# KiCad board ev17.kicad_pcb (continued)
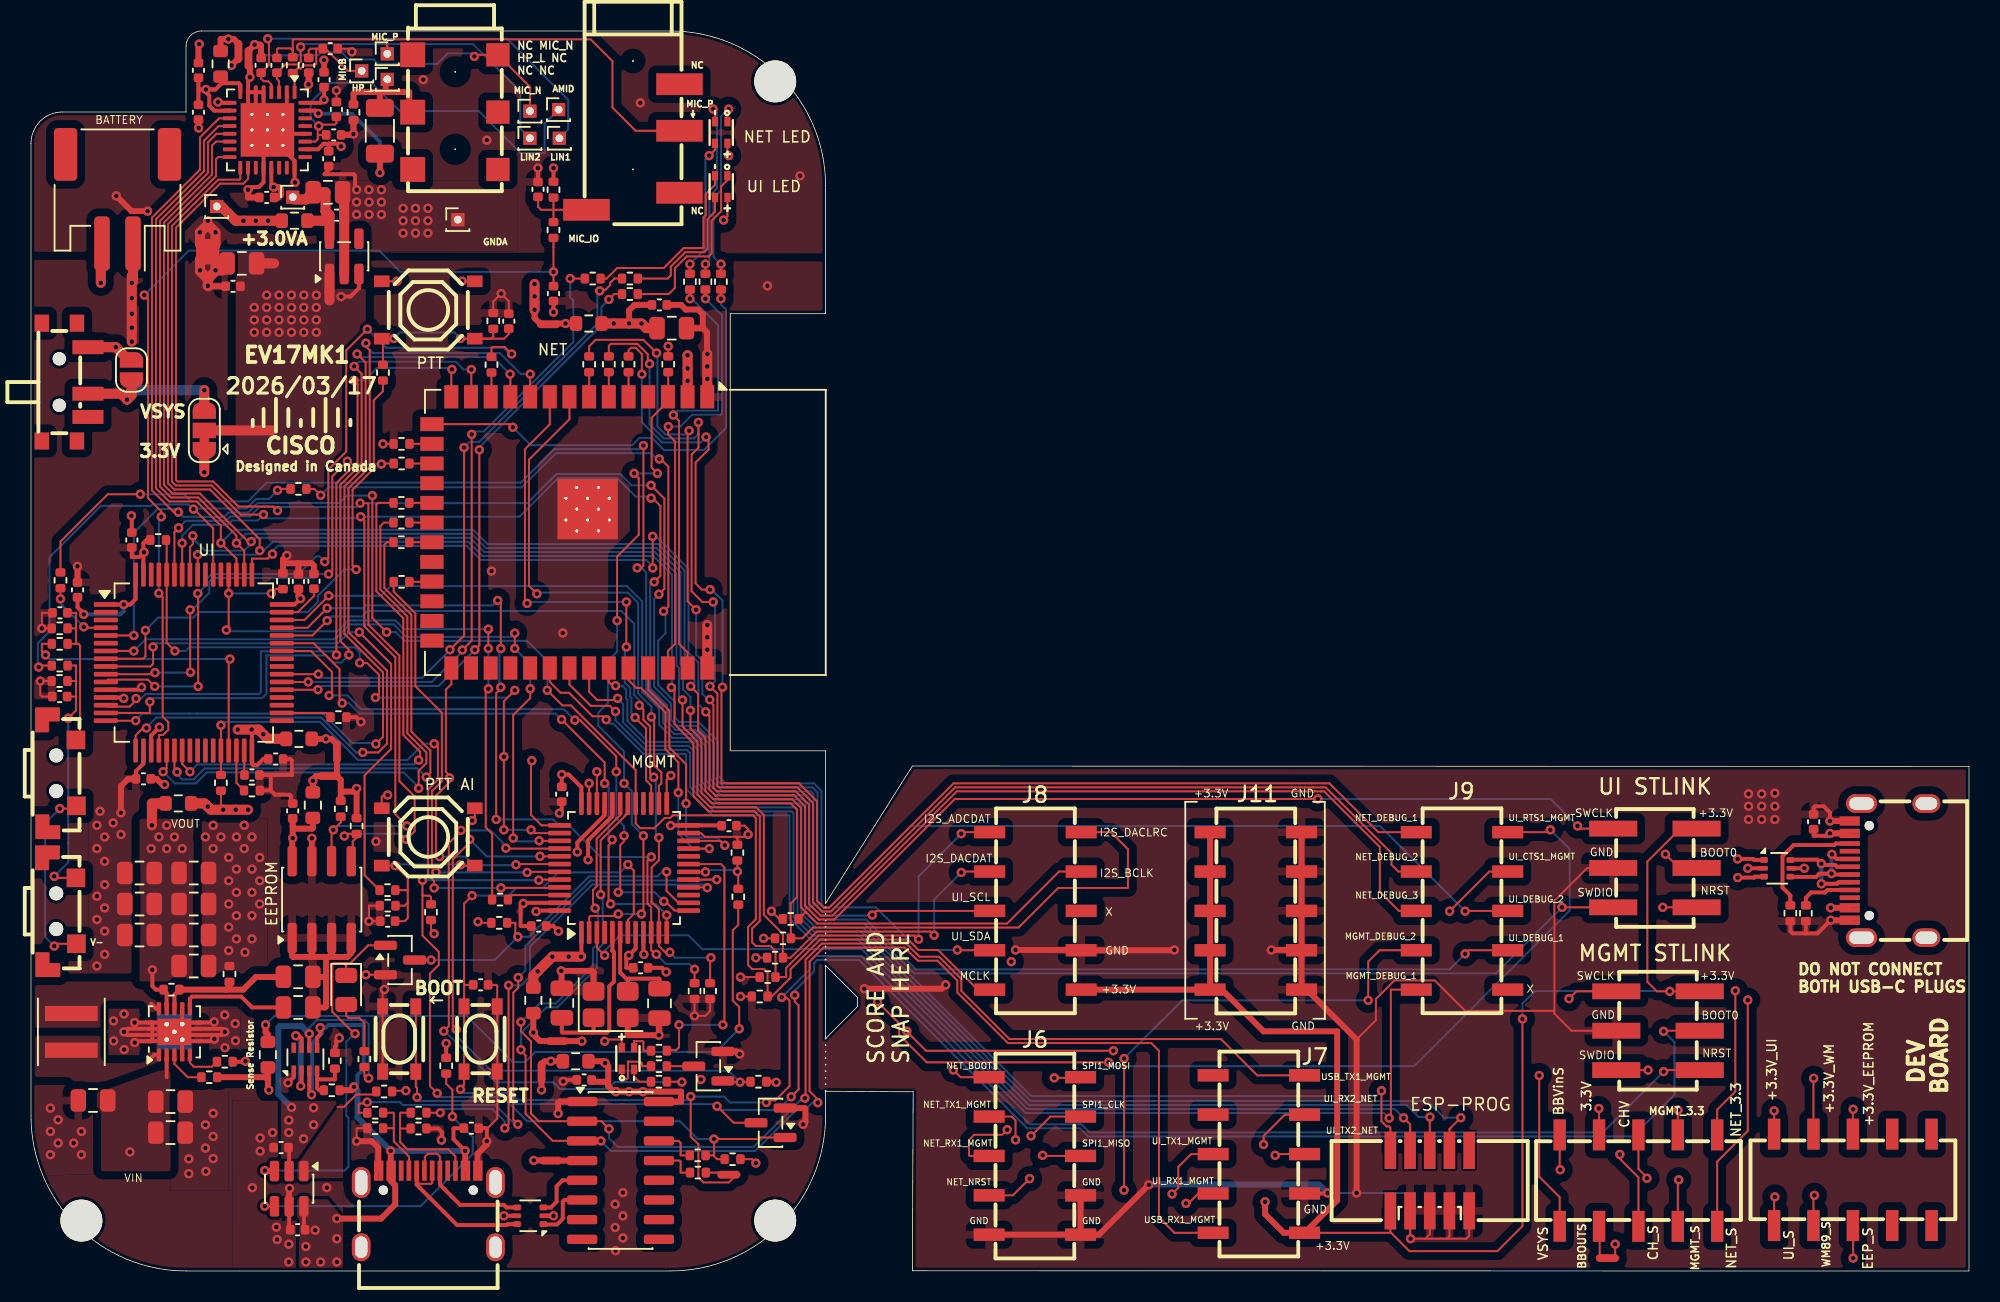
[diagram p0: board, top side]
## Routing (per net, layer and track width the routed paths; a pad name or vN(x,y) marks a point on that pad's centre or on a via; arc(x,y) is an arc through that point) (continued)
GNDA: length 59.6
  Top w0.127: C48.2 20.5,78.86 v1(20.7,78.66) ; C55.2 v1(19.7,76.16)
  Top w0.254: U6.33 15.5,73.37 U6.28 ; U6.33 15.25,73.37 17,71.62 U6.24 17,70.26 v1(17.03,70.23) ; U6.33 14.5,74.37 U6.6 ; U6.33 15,73.37 U6.20 15,70.24 14.69,69.93 14.17,69.93 v1(14,69.76) ; U6.33 15,73.87 U6.5 U6.7 ; U6.33 14,74.87 U6.7 ; U6.7 14,76.9 v1(14.12,77.02) ; U6.2 16.5,74.87 U6.33 ; C54.2 v1(32.7,71.16) ; C26.2 19.2,71.04 18.93,70.76 20.8,70.76 20.9,70.66 20.9,69.86 v1(21,69.76)
  Top w0.381: v1(14.12,77.02) 14.12,77.64 JP2.2 ; v1(5.5,69.36) 6.48,68.38 v1(7.52,68.38) ; v1(14,69.76) 14,69.76 14,69.26 C28.2 ; C25.1 18.9,78.12 v1(18.89,78.12) ; 11.55,67.36 11.4,67.51 v1(11.4,67.76) ; C33.2 20.74,73.3 v1(20.8,73.36) R32.1 ; v1(17.9,76.56) 17.9,76.66 17.91,76.68 C37.2
  Top w0.65: 20.19,69.88 20.2,69.87 U12.2 ; NT1.4 v1(11.9,67.01) 11.4,67.51 v1(10.9,67.01) NT1.2 NT1.4
  In1.Cu w0.254: U6.33 U6.33
  In1.Cu w0.381: U6.33 U6.33 U6.33 ; U6.33 U6.33 ; U6.33 U6.33 U6.33
  vias: v1(21,68.96) v1(21,68.16) v1(21.8,69.76) v1(21.8,68.96) v1(21.8,68.16) v1(22.6,69.76) v1(22.6,68.96) v1(22.6,68.16) v1(24,68.56) v1(24,67.76) v1(24,66.96) v1(24.8,68.56) v1(24.8,67.76) v1(24.8,66.96) v1(25.3,76.86) v1(25.6,68.56) v1(25.6,67.76) v1(25.6,66.96) v1(29.4,72.96) v1(39.3,75.36) v1(49.6,70.66)
VBUS: length 154.4
  Top w0.254: U11.5 v1(114.38,25.98) ; U2.5 v1(30.5,3.56) ; U9.5 18.45,15.06 18.65,15.27 v1(18.65,15.7) ; C56.1 114.98,28.08 115.88,28.08 v1(116.03,28.23) ; v1(28,7.75) 27.25,8.5 27.25,9.17 27.29,9.21 C5.1 ; U1.6 17.6,2.74 ; v1(18.1,11.37) 18.09,11.37 17.95,11.51 U9.3
  Top w0.381: R53.2 20.68,11.66 20.83,11.81 v1(20.83,11.88) ; 117.16,28.23 v1(116.03,28.23) ; v1(19.73,3.38) 22.58,3.38 23.49,4.3 23.49,5.53 23.2,5.82 v1(23.2,7.75) ; v1(116.08,23.43) 117.16,23.43 ; v1(28,7.75) 28,6.65
  In2.Cu w0.381: v1(30.5,3.56) 30.88,3.94 30.88,7.38 30.5,7.75 v1(28,7.75) ; v1(116.08,23.43) 116.78,24.13 116.78,27.48 v1(116.03,28.23) 116.03,27.93 114.38,26.28 v1(114.38,25.98)
  In3.Cu w0.381: v1(43.21,12.36) 44.97,12.36 47.23,14.61 57.88,14.61 v1(63.23,19.96)
  In4.Cu w0.381: v1(63.23,19.96) 90.12,19.96 93.01,22.84 105.51,22.84 106.1,23.43 v1(116.08,23.43) ; v1(28,7.75) 39.92,7.75 43.21,11.04 v1(43.21,12.36)
  Bottom w0.254: v1(18.1,11.37) 18.13,11.4 18.13,14.7 18.76,15.33 18.76,15.59 v1(18.65,15.7) 19.01,15.7 19.18,15.87 21.39,15.87 21.46,15.8 21.46,13.04 21.05,12.63 21.05,12.1 v1(20.83,11.88)
  Bottom w0.381: v1(28,7.75) v1(23.2,7.75) 21.06,9.9 21.06,11.65 v1(20.83,11.88)
  vias: v1(17.73,1.58) v1(17.73,0.58) v1(18.33,2.63) v1(18.68,0.58) v1(19.73,2.08) v1(19.73,0.58)
/AMID: length 26.3
  Top w0.127: 18.5,73.36 18.5,73.03 18.34,72.87 U6.27 ; 18.5,73.36 18.5,73.82 v1(18.56,73.87) 18.6,73.92 18.63,73.92 18.67,73.96 19.6,73.96 19.7,74.06 C55.1 ; 18.5,73.36 18.56,73.3 C33.1
  Bottom w0.127: v1(18.56,73.87) 18.03,74.39 18.03,75.4 19.29,76.66 21.96,76.66 23.79,74.83 28.88,74.83 31.58,72.13 33.13,72.13 33.13,74.03 J23.1
/Analog_Sense: length 7
  Top w0.381: 18.32,69.88 18.2,69.76
  Top w0.65: C18.1 19,68.36 19,69.6 C10.1 17.73,69.13 16.98,69.13 ; C18.1 18.88,67.76 R52.1 ; C18.1 19.25,68.11 U12.5
/BATTERY_MON: length 5.1
  Top w0.127: v1(45.56,25.77) R13.1 ; 42.45,25.71 U3.18 43.5,25.75 v1(43.5,25.75) ; R12.1 45.62,25.68 45.54,25.75
  Bottom w0.127: v1(43.5,25.75) 43.57,25.75 43.69,25.87 45.47,25.87 v1(45.56,25.77)
/BB_Vin_Sense: length 107.8
  Top w0.127: J10.10 98.6,6.56 v1(98.63,6.53)
  Top w0.254: U5.2 8.75,12.5
  Top w0.381: 15.28,12.33 15.28,11.73 v1(15.33,11.68) ; 15.28,12.33 15.11,12.5 R18.1 ; 15.28,12.33 R14.2
  In2.Cu w0.381: v1(15.33,11.68) 14.58,10.93 6.93,10.93 6.58,10.58 6.58,7.88 v1(6.38,7.68)
  In4.Cu w0.127: v1(15.33,11.68) 17.04,13.38 32.8,13.38 33.35,12.83 37.67,12.83 38.23,13.4 43.17,13.4 43.85,12.71 48.23,12.71 49.08,11.86 58.9,11.86 64.28,6.48 98.58,6.48 v1(98.63,6.53)
/BB_Vout: length 139.8
  Top w0.127: v1(102.18,1.73) NT4.2
  Top w0.254: v1(7.83,19.43) 7.83,18.38 8.06,18.15 R26.2 8.75,17.95 U5.9 U5.9 ; R28.2 13.53,13.5 13.55,13.48 13.78,13.48 v1(13.83,13.53)
  Top w0.65: R48.1 8.21,30.17 8.2,30.16 7.8,30.16 v1(7.8,28.75)
  In2.Cu w0.254: v1(7.83,19.43) 5.23,19.43 3.95,18.15 3.95,13.16 4.2,12.91 13.21,12.91 v1(13.83,13.53)
  In4.Cu w0.127: v1(102.18,1.73) 104.72,4.28 104.72,6.19 100.04,10.87 64.33,10.87 61.74,13.46 59.29,13.46 58.46,12.64 49.4,12.64 48.55,13.48 44.17,13.48 43.49,14.17 37.34,14.17 37.34,14.17 36.72,14.17 36.72,14.17 32.43,14.17 20.3,26.3 16.91,26.3 13.96,29.25 8.29,29.25 v1(7.8,28.75)
  vias: v1(7.75,27.25) v1(8.25,28) v1(8.75,28.75) v1(8.75,27.25) v1(9.25,28) v1(9.75,27.25)
/BB_Vout_Sense: length 2.1
  Top w0.127: J10.2 101.18,2.84 NT4.1
/BQ_OUT: length 91.3
  Top w0.127: v1(21.78,12.43) 21.63,12.43 21.5,12.56 R11.1
  Top w0.254: v1(17.95,15.31) U9.6 ; U1.2 16.65,7.92
  Top w0.65: v1(4.5,63.75) 4.5,66.21 J2.2
  In2.Cu w0.381: v1(17.95,15.31) 17.95,15.17 14.22,11.44 3.59,11.44 2.48,12.55 2.48,30.44 4.1,32.06 4.1,62.35 4.5,62.75 v1(4.5,63.75)
  Bottom w0.127: v1(21.78,12.43) 21.78,15.93 21.53,16.18 21.53,16.19 18.44,16.19 17.95,15.7 v1(17.95,15.31)
  Bottom w0.381: v1(16.8,10.56) 15.95,11.41 15.95,15.71 16.05,15.8 17.45,15.8 v1(17.95,15.31)
  vias: v1(16.63,9.73) v1(16.63,8.93) v1(17.58,8.53) v1(18.23,10.53) v1(18.23,9.43)
/CH340C_Sense: length 78.3
  Top w0.127: v1(102.48,7.52) 102.48,7.24 103.68,6.04 J10.3
  Top w0.381: R80.1 v1(33.53,13.53) 33.13,13.53 NT5.2
  In4.Cu w0.127: v1(33.53,13.53) 33.91,13.91 36.82,13.91 43.38,13.91 44.07,13.22 48.44,13.22 49.29,12.38 59.11,12.38 61.19,10.3 86.47,10.3 89.24,7.52 v1(102.48,7.52)
/CHG_FB: length 24.6
  Top w0.127: v1(40.99,25.76) 40.99,24.52 41.76,23.75 U3.14 ; R3.1 31.24,22.46 31.24,21.72 v1(31.4,21.56) ; 24.28,20.06 v1(25.81,20.06) Q2.3
  Bottom w0.127: 40.4,25.45 40.71,25.76 v1(40.99,25.76) ; v1(31.4,21.56) 29.9,20.06 v1(25.81,20.06)
  Bottom w0.13: v1(31.4,21.56) 32.1,21.56 35.99,25.45 40.4,25.45
/D_N: length 11
  Top w0.127: J1.B7 24.88,5.78 25.03,5.63 25.81,5.63 25.88,5.7 J1.A7
  Top w0.254: J1.B7 24.88,5.57 27.48,2.96 30.7,2.96 30.76,3.03 U2.6
/D_P: length 9.4
  Top w0.127: J1.A6 25.4,6.5 25.4,7.36 25.6,7.56 26.2,7.56 26.38,7.39 J1.B6
  Top w0.254: J1.B6 26.38,5.57 27.68,4.26 30.5,4.26 30.66,4.1 U2.4
/EEPROM_Sense: length 122.7
  Top w0.127: J20.3 117.53,2.91 v1(117.53,0.83)
  Top w0.381: NT10.2 18.38,31.93 18.18,31.73 v1(18.18,31.63) R79.1
  In4.Cu w0.127: v1(117.53,0.83) 107.43,0.83 107.28,0.98 107.28,11.73 105.55,13.46 71.45,13.46 70.16,14.75 58.75,14.75 57.93,13.93 51.18,13.93 51.17,13.93 49.93,13.93 49.08,14.77 48.2,14.77 45.76,17.22 39.43,17.22 31.43,25.21 29.52,25.21 23.11,31.63 v1(18.18,31.63)
/HP_L: length 7.6
  Top w0.381: R32.2 20.8,75.96 20.9,76.06 22.5,76.06 ; J17.1 22.88,76.78 22.88,76.06 ; 22.88,76.06 22.5,76.06 ; 22.88,76.06 24.4,76.06 24.4,74.98 CN2.6 ; 22.5,76.06 C34.2
/I2S_ADCDAT: length 116.4
  Top w0.127: v1(57.25,21.41) 57.01,21.64 50.79,21.64 48.71,19.56 48.71,19.01 48.67,18.96 R66.1 48.02,20.64 47.7,20.96 46.75,20.96 46.51,21.21 46.51,22.09 47.01,22.59 47.01,29.32 46.67,29.66 43.71,29.66 42.72,30.64 42.72,34.06 41.5,35.29 41.5,37.46 v1(41.3,37.66) ; v1(14.75,46.48) 14.75,47.21 11.54,50.42 9.24,50.42 8.83,50.83 8.83,67.54 11.93,70.63 11.93,71.73 12.07,71.87 U6.16 ; v1(10.75,46.21) U10.56 ; J8.6 60.1,28.31 v1(60,28.21)
  Bottom w0.127: v1(10.75,46.21) 14.49,46.21 v1(14.75,46.48) 15.01,46.48 15.58,47.05 28.21,47.05 29.12,46.13 40.13,46.13 41.34,44.92 41.34,37.69 v1(41.3,37.66) ; v1(60,28.21) 57.25,25.46 v1(57.25,21.41)
/I2S_BCLK: length 114.5
  Top w0.127: 49.95,23.18 50.71,22.42 62.95,22.42 66.31,25.77 J8.4 ; 49.95,23.18 49.66,23.47 49.66,29.88 49.11,30.43 44.03,30.43 ; 49.95,23.18 49.96,23.17 R69.1 ; v1(42.55,37.72) 43.03,37.25 43.03,34.88 43.5,34.41 43.5,30.96 43.99,30.46 ; U10.51 13.25,45.96 v1(12.24,46.97) 12.24,48.08 10.68,49.65 8.91,49.65 8.06,50.51 8.06,67.86 11.15,70.95 11.15,72.92 12.1,73.87 U6.12
  Bottom w0.127: v1(42.55,37.72) 42.61,37.78 42.77,37.78 42.78,37.8 42.78,39.15 42.15,39.79 42.15,45.21 40.46,46.9 29.45,46.9 28.53,47.82 13.1,47.82 v1(12.24,46.97)
/I2S_DACDAT: length 113.9
  Top w0.127: v1(14.2,47.06) 13.99,47.06 10.89,50.17 9.13,50.17 8.57,50.72 8.57,67.64 11.67,70.74 11.67,72.61 11.93,72.87 U6.14 ; v1(60,25.71) 60.06,25.77 J8.7 ; v1(58.25,21.67) 58.01,21.9 50.69,21.9 49,20.21 R68.1 48.5,21.74 47.27,22.98 47.27,29.43 46.78,29.92 43.81,29.92 42.98,30.75 42.98,34.17 42.02,35.13 v1(42.02,36.84) ; U10.57 10.25,46.71 10.43,46.9 v1(10.43,47.43)
  Bottom w0.127: v1(42.02,36.84) 41.8,37.07 41.8,37.4 41.8,37.4 41.8,38.91 41.63,39.08 41.63,45 40.24,46.39 29.23,46.39 28.31,47.31 14.44,47.31 v1(14.2,47.06) ; 14.29,46.97 v1(14.2,47.06) ; v1(14.2,47.06) 14.23,47.04 14.23,46.96 13.74,46.47 11.24,46.47 10.43,47.28 v1(10.43,47.43) ; v1(58.25,21.67) 58.25,23.96 v1(60,25.71)
/I2S_DACLRC: length 123
  Top w0.127: U6.13 11.97,73.37 11.41,72.82 11.41,70.85 8.32,67.75 8.32,50.61 9.02,49.91 10.79,49.91 13.25,47.44 v1(13.25,46.97) 13.75,46.47 U10.50 13.73,44.94 ; v1(42.53,36.16) 42.53,35.01 43.24,34.3 43.24,30.85 43.92,30.17 49,30.17 49.4,29.77 49.4,24.11 49,23.71 49,22.46 49.01,22.45 R67.1 49.75,21.46 50.45,22.16 63.7,22.16 66.25,24.71 70.75,24.71 70.75,27.21 69.65,28.31 J8.5
  Bottom w0.127: v1(42.53,36.16) 42.53,37.03 42.05,37.51 42.05,39.02 41.89,39.18 41.89,45.1 40.35,46.64 29.34,46.64 28.42,47.56 13.85,47.56 v1(13.25,46.97)
/LEDA_B: length 17.7
  Top w0.127: v1(44.63,15.88) 44.72,15.98 44.72,26.03 44.5,26.25 U3.19 ; v1(41.8,15.88) 41.8,14.43 41.63,14.26 41.06,14.26 R15.2
  Bottom w0.127: v1(41.8,15.88) 42.12,15.88 42.12,15.88 v1(44.63,15.88)
/LEDA_G: length 38.4
  Top w0.127: R21.2 41.96,12.21 v1(41.98,12.19) ; v1(30.63,27.28) 30.78,27.28 30.81,27.25 U3.40 ; v1(26.62,15.47) 26.95,15.8 26.95,27.6 27.63,28.28 27.63,28.33 v1(27.73,28.43)
  Bottom w0.127: v1(30.63,27.28) 30.43,27.48 30.43,27.64 29.63,28.43 v1(27.73,28.43) ; v1(41.98,12.19) 37.65,12.19 37.2,11.74 34.12,11.74 33.69,12.18 29.98,12.18 26.69,15.47 v1(26.62,15.47)
/LEDA_R: length 40.7
  Top w0.127: v1(27.43,15.58) 27.21,15.81 27.21,26.56 28.29,27.65 v1(28.29,27.85) ; Q1.1 44.71,12.18 v1(45.73,12.18) 46.21,12.18 46.24,12.21 ; v1(32.83,26.75) U3.41
  Bottom w0.127: v1(32.83,26.75) 29.39,26.75 v1(28.29,27.85) ; v1(45.73,12.18) 44.99,12.92 29.69,12.92 27.43,15.18 v1(27.43,15.58)
/LIN1: length 27.9
  Top w0.127: U6.4 15.5,76.56 15.3,76.76 15,76.76 14.84,76.92 C32.1 15.35,77.81 15.35,79.43 v1(15.27,79.5)
  Bottom w0.127: v1(15.27,79.5) 29.76,79.5
  Bottom w0.13: 29.76,79.5 30.7,79.5 34.65,75.55 34.65,73.65 J16.1
/LIN2: length 22.9
  Top w0.127: v1(17.39,78.97) 17.39,78.95 17.4,78.94 17.4,78.03 17.21,77.85 16.4,77.85 C36.1 15.86,76.9 16,76.76 U6.3
  Bottom w0.127: J18.1 31.56,73.7 31.56,76.1 28.5,79.16 17.58,79.16 v1(17.39,78.97)
/MCLK: length 126
  Top w0.127: v1(6.63,41) U10.5 ; v1(22.02,50.03) 22.02,42.14 22.93,41.22 v1(22.94,41.22) ; U6.11 12.13,74.37 10.9,73.14 10.9,71.06 7.8,67.96 7.8,50.36 9.2,48.96 v1(9.5,48.96) ; J8.10 61.06,18.15 58.5,20.71 57.24,20.71 56.57,21.39 50.9,21.39 48.99,19.47 48.99,18.92 47.78,17.71 R64.1 47.51,19.24 47.28,19.48 46.51,19.48 46.25,19.74 46.25,22.2 46.75,22.7 46.75,29.21 46.56,29.4 41.39,29.4 41.23,29.23 40.87,29.23 40.21,28.57 39.29,28.57 39,28.86 U3.29 39,32.32 34.83,36.49 34.27,36.49 v1(33.3,37.46)
  Bottom w0.127: v1(22.94,41.22) 23.52,41.22 24.08,40.66 32,40.66 33.3,39.36 v1(33.3,37.46) ; v1(6.63,41) 6.63,47.64 8.15,49.16 9.31,49.16 v1(9.5,48.96) 9.8,48.66 12.47,48.66 12.74,48.94 14.01,48.94 14.63,49.55 19.9,49.55 20.38,50.03 v1(22.02,50.03)
/MGMT_BOOT: length 128.8
  Top w0.127: v1(32.75,25.21) 32.79,25.25 U3.44 ; v1(26.2,11.46) 25.73,11.93 25.73,19.18 26.3,19.75 26.3,20.59 25.25,21.64 v1(25.25,25.21) 25.29,25.25 ; J4.3 105.34,15.5 v1(105.3,15.46) ; Q3.3 45.32,9.56 v1(44.25,10.63) ; v1(49.26,17.8) 49.26,17.39 49.51,17.14 49.51,11.72 v1(49.03,11.24)
  Top w0.13: 25.25,24.26 25.3,24.22 25.7,24.22 25.8,24.12 R22.1
  Bottom w0.127: v1(32.75,25.21) v1(25.25,25.21) ; v1(105.3,15.46) 106,14.76 106,11.36 103.32,8.68 68.17,8.68 67.65,9.21 64.26,9.21 53.4,20.06 50.7,20.06 50.51,19.87 50.51,19.33 49.26,18.09 v1(49.26,17.8) ; v1(49.03,11.24) 49.03,11.24 48.17,10.38 44.5,10.38 v1(44.25,10.63) 44.12,10.76 31.26,10.76 30.8,11.23 26.44,11.23 v1(26.2,11.46)
/MGMT_DEBUG_1: length 67.9
  Top w0.127: U3.3 36.5,20.86 v1(37,20.36) ; v1(87.6,9.86) 87.71,9.97 87.71,18.15 J9.10
  Bottom w0.127: v1(37,20.36) 37,20.66 38,21.66 42.4,21.66 43.3,20.76 53.58,20.76 63.96,10.38 63.97,10.38 64.16,10.19 87.27,10.19 v1(87.6,9.86)
/MGMT_DEBUG_2: length 80.7
  Top w0.127: v1(70.5,5.21) v1(70.5,13.71) ; v1(86.25,17.46) 86.25,19.96 86.98,20.69 J9.9 ; v1(41.26,31.97) 41,31.71 U3.25
  In2.Cu w0.127: v1(70.5,5.21) 64.46,5.21 57.73,11.94 57.73,15.66 52.52,20.87 50.07,20.87 48.41,22.54 48.41,28.76 48.28,28.88 44.14,28.88 44.02,29 42.66,29 41.26,30.41 41.26,31.96 v1(41.26,31.97)
  Bottom w0.127: v1(86.25,17.46) 74.25,17.46 v1(70.5,13.71)
/MGMT_NRST: length 132.6
  Top w0.127: SW3.1 27.93,12.03 27.7,11.8 v1(27.7,11.72) ; 27.93,18.39 27.93,23.7 v1(28.45,24.22) ; 27.93,18.39 28,18.46 C17.1 ; 27.93,18.39 SW3.2 ; v1(105.3,12.86) 105.4,12.96 J4.1 ; NT3.2 45.01,5.71 43.37,5.71 43.05,6.04 43.05,8.18 42.55,8.68 v1(42.55,11.26) ; v1(38.5,26.22) 38.88,25.84 38.88,23.03 38.5,22.65 U3.7 ; v1(48.42,17.65) 48.53,17.76 48.6,17.76 48.92,17.44 48.92,11.93 48,11.01 47.56,11.01 v1(47.43,10.88)
  Top w0.13: SW3.2 SW3.1
  Bottom w0.127: v1(38.5,26.22) 37.99,25.71 34,25.71 33,24.71 31.3,24.71 30.81,24.22 v1(28.45,24.22) ; v1(27.7,11.72) 27.94,11.49 30.91,11.49 31.37,11.02 42.31,11.02 v1(42.55,11.26) 44.7,11.26 45.09,10.88 v1(47.43,10.88) ; v1(105.3,12.86) 101.38,8.94 68.28,8.94 67.76,9.47 64.42,9.47 53.57,20.32 50.59,20.32 50.25,19.98 50.25,19.49 49.06,18.29 49.06,18.29 48.77,18 48.77,18 v1(48.42,17.65)
/MGMT_Sense: length 85.1
  Top w0.127: J10.4 106.22,5.82 v1(106.28,5.88)
  Top w0.381: NT6.2 32.83,14.83 32.4,15.26 v1(32.4,15.38) 32.4,16.64
  In4.Cu w0.127: v1(32.4,15.38) 32.73,15.71 40.7,15.71 41.02,15.39 44.53,15.39 45.13,14.79 45.99,14.79 46.78,14 48.76,14 49.61,13.15 58.24,13.15 59.07,13.98 61.95,13.98 64.54,11.39 86.17,11.39 86.9,12.12 100.19,12.12 106.28,6.03 v1(106.28,5.88)
/MGMT_SWCLK: length 100.4
  Top w0.127: 102.33,17.96 J4.6 99.67,18.04 v1(99.2,17.57) ; v1(32.3,32.92) 32.25,32.87 32.25,29.43 32.93,28.75 U3.37
  In2.Cu w0.127: v1(32.3,32.92) 32.54,33.16 42.56,33.16 42.94,32.78 42.94,30.82 44.35,29.4 48.81,29.4 48.92,29.29 48.92,22.75 50.29,21.39 52.73,21.39 58.25,15.87 58.25,12.15 63.69,6.71 91.41,6.71 91.56,6.86 91.56,9.93 v1(99.2,17.57)
/MGMT_SWDIO: length 93.9
  Top w0.127: v1(104.3,12.96) J4.2 103.29,12.96 ; 36.51,30.18 U3.34 v1(36.5,32.21)
  In2.Cu w0.127: v1(36.5,32.21) 37.19,32.9 42.45,32.9 42.68,32.67 42.68,30.71 44.25,29.14 48.49,29.14 48.66,28.96 48.66,22.64 50.18,21.13 52.62,21.13 57.99,15.76 57.99,12.05 63.58,6.45 97.79,6.45 v1(104.3,12.96)
/MGMT_UD_N: length 88
  Top w0.254: v1(110.08,26.58) 111.08,26.58 111.14,26.52 U11.1 ; v1(35.93,26.53) 35.93,27.79 37.5,29.36 U3.32
  In3.Cu w0.254: v1(110.08,26.58) 109.67,26.18 85.81,26.18 arc(85.64,26.25) 85.57,26.42 85.57,26.48 arc(85.5,26.65) 85.33,26.72 85.21,26.72 arc(85.04,26.65) 84.97,26.48 84.97,26.42 arc(84.9,26.25) 84.73,26.18 60.87,26.18 60.39,26.66 59.61,26.66 59.13,26.18 55.8,26.18 51.55,21.93 48.12,21.93 47.64,22.41 46.86,22.41 46.38,21.93 36.46,21.93 35.73,22.65 35.73,26.33 v1(35.93,26.53)
/MGMT_UD_P: length 88
  Top w0.254: v1(110.08,25.38) 111.13,25.38 111.19,25.45 U11.3 ; v1(35.24,27.03) 35.24,27.64 37,29.4 U3.33
  In3.Cu w0.254: v1(35.24,27.03) 35.24,22.6 36.3,21.54 46.54,21.54 47.02,22.02 47.48,22.02 47.96,21.54 51.71,21.54 55.96,25.79 59.29,25.79 59.77,26.27 60.23,26.27 60.71,25.79 109.67,25.79 v1(110.08,25.38)
/MIC_IO: length 61.6
  Top w0.127: v1(8.24,43.72) 8.49,43.48 8.49,35.77 8.85,35.41 8.85,34.92 8.52,34.58 8.28,34.58 8.25,34.55 U10.20 ; 33.7,66.24 v1(33.7,64.46) ; v1(8.4,48.66) 8.4,49.01 7.54,49.87 7.54,62.73 v1(7.31,62.96)
  Top w0.13: C53.1 v1(33.7,64.46) ; R81.2 33.7,66.24
  Bottom w0.127: v1(8.24,43.72) 8.25,43.73 8.25,48.51 ; v1(7.31,62.96) 10.18,65.83 22.46,65.83 23.83,64.46
  Bottom w0.13: v1(33.7,64.46) 23.83,64.46
/MIC_N: length 23.1
  Top w0.127: J13.1 32.18,76.41 CN2.2 28.7,78.47 v1(28.6,78.36)
  Top w0.381: JP2.1 v1(14.42,79.12) 14.77,79.12 14.84,79.05 C32.2
  Bottom w0.127: v1(14.42,79.12) 15.11,78.43 18.5,78.43 18.69,78.62 20.05,78.62 20.5,78.17 22.1,78.17 22.39,77.88 26.19,77.88 26.87,78.56 28.4,78.56 v1(28.6,78.36)
/MIC_P: length 33
  Top w0.127: R31.1 16.88,78.73 ; 16.88,78.73 16.73,78.88 15.93,78.88 15.86,78.82 C36.2 15.9,78.31 ; 16.88,78.73 16.88,79.44 16.91,79.46 36.1,79.46 37.5,78.06 37.5,75.06 39,73.57 J3.R1
  Top w0.13: 22.88,79.46 22.98,79.36 J12.1
/MICBIAS: length 8.6
  Top w0.127: C48.1 18.43,78.86 ; 18.43,78.86 18.01,78.86 17.91,78.76 C37.1 ; 18.43,78.86 18.4,78.83 18.4,77.88 18.3,77.78 17.6,77.78 17.41,77.59 17.41,77.58 17.18,77.58 R31.2 17,77.17 U6.1
  Top w0.13: J14.1 20.42,77.43 18.99,78.86 C48.1
/NET_BOOT: length 72.1
  Top w0.127: v1(31.28,26.21) 31.33,26.25 U3.42 ; v1(26.35,26.73) 26.12,26.97 26.12,30.66 26.99,31.54 v1(26.99,31.81) 27.01,31.83 27.01,31.96 26.76,32.21 26.76,37.51 27.11,37.86 U7.27 ; v1(59.49,12.97) 59.96,12.5 J6.1
  In2.Cu w0.127: v1(59.49,12.97) 59,13.46 59,15.98 53.08,21.9 50.5,21.9 49.44,22.96 49.44,29.77 49.3,29.92 44.57,29.92 43.45,31.03 43.45,33.4 43.18,33.67 29.21,33.67 27.49,31.96 27.14,31.96 v1(26.99,31.81)
  Bottom w0.127: v1(26.35,26.73) 28.03,26.73 28.58,26.18 31.25,26.18 v1(31.28,26.21)
/NET_CTS1_MGMT: length 34.2
  Top w0.127: v1(38.4,40.26) v1(38.4,43.16) ; U3.27 40,31.33 39.67,31.66 39.67,35.01 v1(38.96,35.71) ; U7.9 33.46,54.62 31.86,53.02 31.86,43.22 v1(32,43.07)
  Bottom w0.127: v1(38.96,35.71) 38.73,35.95 38.73,36.97 38.64,37.06 38.64,37.62 38.3,37.96 38.3,40.16 v1(38.4,40.26) ; v1(38.4,43.16) 32.09,43.16 v1(32,43.07)
/NET_DEBUG_1: length 1.6
  Top w0.127: R70.1 U7.5
/NET_DEBUG_2: length 1.6
  Top w0.127: R71.1 U7.6
/NET_DEBUG_3: length 1.6
  Top w0.127: R72.1 U7.7
/NET_LED_B: length 28.3
  Top w0.127: v1(41.43,55.22) 41.8,54.85 41.8,40.46 42.35,39.91 U7.39 ; R33.1 v1(42.5,62.73)
  Bottom w0.127: v1(41.43,55.22) 41.71,55.5 44.31,55.5 44.31,61.03 42.61,62.73 v1(42.5,62.73)
/NET_LED_G: length 28.2
  Top w0.127: U7.38 41.08,40 41.54,40.46 41.54,53.52 41.1,53.96 41.1,54.47 v1(41.11,54.48) ; v1(43.5,62.73) R35.1
  Bottom w0.127: v1(41.11,54.48) 41.88,54.48 42.64,55.25 44.49,55.25 44.57,55.33 44.57,61.66 v1(43.5,62.73)
/NET_LED_R: length 29.7
  Top w0.127: U7.15 30.88,54.64 v1(31.08,54.44) ; v1(44.5,62.73) R34.1
  Bottom w0.127: v1(44.5,62.73) 44.5,62.36 44.83,62.03 44.83,54.39 43.4,52.97 40.83,52.97 40.05,53.75 39.25,53.75 38.78,53.28 32.24,53.28 v1(31.08,54.44)
/NET_MTCK: length 75.1
  Top w0.127: v1(37.1,35.57) 36.89,35.79 36.23,35.79 34.7,37.31 34.15,37.31 33.46,38 U7.32 ; v1(88.53,9.88) 88.95,9.46 CN1.4
  Bottom w0.127: v1(37.1,35.57) 37.36,35.31 37.55,35.31 39.5,33.36 42.2,33.36 42.25,33.31 42.25,31.11 43.96,29.4 48.92,29.4 48.92,22.75 50.29,21.39 53.32,21.39 56.54,18.17 56.54,18.17 64.27,10.45 87.96,10.45 v1(88.53,9.88)
/NET_MTDI: length 77.6
  Top w0.127: CN1.8 91.49,9.16 v1(92.22,9.89) ; U7.34 36,37.36 36.53,36.83 37.6,36.83 37.71,36.94 v1(37.84,36.94)
  Bottom w0.127: v1(37.84,36.94) 38.19,36.59 38.19,35.4 39.71,33.88 42.41,33.88 42.77,33.53 42.77,31.33 44.18,29.92 49.3,29.92 49.44,29.78 49.44,22.96 50.5,21.9 53.54,21.9 56.75,18.69 56.76,18.69 64.48,10.96 90.08,10.96 91.15,9.89 v1(92.22,9.89)
/NET_MTDO: length 75.9
  Top w0.127: v1(90.23,9.93) 90.23,9.58 90.22,9.57 CN1.6 ; v1(37.7,36.1) 37.34,36.46 36.1,36.46 34.73,37.83 U7.33
  Bottom w0.127: 42.51,33.16 42.51,31.22 44.07,29.66 49.06,29.66 49.18,29.53 49.18,22.86 50.39,21.64 53.43,21.64 56.64,18.43 56.65,18.43 64.38,10.71 88.73,10.71 89.5,9.93 v1(90.23,9.93) ; v1(37.7,36.1) 37.7,35.53 39.61,33.62 42.31,33.62 42.51,33.42 42.51,33.21 ; 43.23,30.5 43.19,30.53 43.23,30.5
/NET_MTMS: length 72.6
  Top w0.127: U7.35 37.27,37.99 37.5,37.76 v1(37.7,37.76) ; CN1.2 87.68,9.23 87.58,9.33 87.43,9.33 87.11,9.66 v1(87.11,11.63)
  Bottom w0.127: v1(37.7,37.76) 38.14,37.76 38.38,37.51 38.38,36.95 38.47,36.86 38.47,35.92 38.47,35.91 38.47,35.51 38.47,35.5 38.47,35.49 39.82,34.14 42.52,34.14 43.03,33.63 43.03,31.43 44.28,30.17 49.54,30.17 49.7,30.02 49.7,23.07 50.61,22.16 53.65,22.16 56.86,18.95 56.86,18.95 64.53,11.28 86.76,11.28 v1(87.11,11.63)
/NET_NRST: length 95.7
  Top w0.127: R29.1 41.1,56.42 U7.3 41.08,56.1 40.03,55.05 40.03,51.83 v1(40.4,51.46) ; v1(64.41,5.96) 63.33,4.88 J6.4 ; v1(37.88,23.03) 37.75,22.91 36.09,22.91 36,22.82 U3.2 ; v1(39.37,23.03) 39.5,23.16 v1(39.5,28.08) ; v1(38.9,51.46) 39.2,51.16 39.2,47.5 37.8,46.1 v1(37.8,41.96)
  In1.Cu w0.127: v1(38.25,31.46) 39.25,32.46 43.84,32.46 48.42,27.89 48.42,25.8 51.03,23.19 52.02,23.19 52.3,23.46 63.5,23.46 64,22.96 64,6.37 v1(64.41,5.96)
  Bottom w0.127: v1(37.8,41.96) 37.8,39.96 37.21,39.37 37.21,36.64 36.59,36.02 36.59,35.18 38.25,33.51 v1(38.25,31.46) 38.75,30.96 38.75,28.83 39.5,28.08 v1(39.5,28.08) ; v1(40.4,51.46) v1(38.9,51.46) ; v1(37.88,23.03) v1(39.37,23.03)
/NET_READY: length 1.6
  Top w0.127: R50.1 29.7,56.45 U7.12
/NET_RTS1_MGMT: length 34.5
  Top w0.127: v1(40.02,35.74) 40.18,35.58 40.18,32.64 40.66,32.16 40.66,31.46 40.5,31.31 U3.26 ; U7.8 34.73,54.96 32.12,52.35 32.12,44.21 v1(32.63,43.69)
  Bottom w0.127: v1(32.63,43.69) 32.71,43.77 38.49,43.77 39.16,43.1 39.16,37.27 40.02,36.41 v1(40.02,35.74)
/NET_RX1_MGMT: length 49.5
  Top w0.127: v1(62.96,9.12) 62.64,8.79 60.83,8.79 60.5,8.46 60.5,7.46 60.54,7.42 J6.3 ; v1(43.75,27.25) U3.21 ; v1(41.75,30.86) 41.76,30.87 41.76,32.82 40.91,33.66 40.91,36.05 39.35,37.61 39.05,37.61 38.54,38.12 U7.36
  In1.Cu w0.127: v1(43.75,27.25) 44.04,26.96 46.53,26.96 50.82,22.68 52.4,22.68 62.85,12.23 62.85,9.23 v1(62.96,9.12)
  Bottom w0.127: v1(41.75,30.86) 41.75,28.21 42.71,27.25 v1(43.75,27.25)
/NET_Sense: length 126.6
  Top w0.127: v1(110.73,17.48) 110.73,9.03 108.76,7.06 J10.5
  Top w0.381: NT7.2 33.93,61.13 v1(34.48,61.13) R76.1
  Top w0.65: 35.13,61.11 R76.1
  In4.Cu w0.127: v1(34.48,61.13) 34.48,52.63 32.14,50.29 32.14,49.29 37.1,44.33 37.1,41.07 37.79,40.37 37.79,38.89 45.47,31.21 45.47,27.43 50.46,22.43 51.04,22.43 55.51,17.97 98.9,17.97 99,18.06 104.65,18.06 105.46,17.25 110.5,17.25 v1(110.73,17.48)
/NET_STAT: length 1.5
  Top w0.13: R4.2 25.84,44.46 U7.23
/NET_TX1_MGMT: length 49.4
  Top w0.127: U3.22 44.46,27.75 v1(44.75,27.46) ; U7.37 39.81,37.52 41.17,36.16 41.17,33.77 42.25,32.69 v1(42.25,30.16) ; J6.2 63.25,9.96 63.5,9.71 v1(63.5,8.46)
  In1.Cu w0.127: v1(63.5,8.46) 63.5,12.96 53.53,22.93 50.93,22.93 46.4,27.46 v1(44.75,27.46)